# KiCad board W1-AT PCB.kicad_pcb (continued)
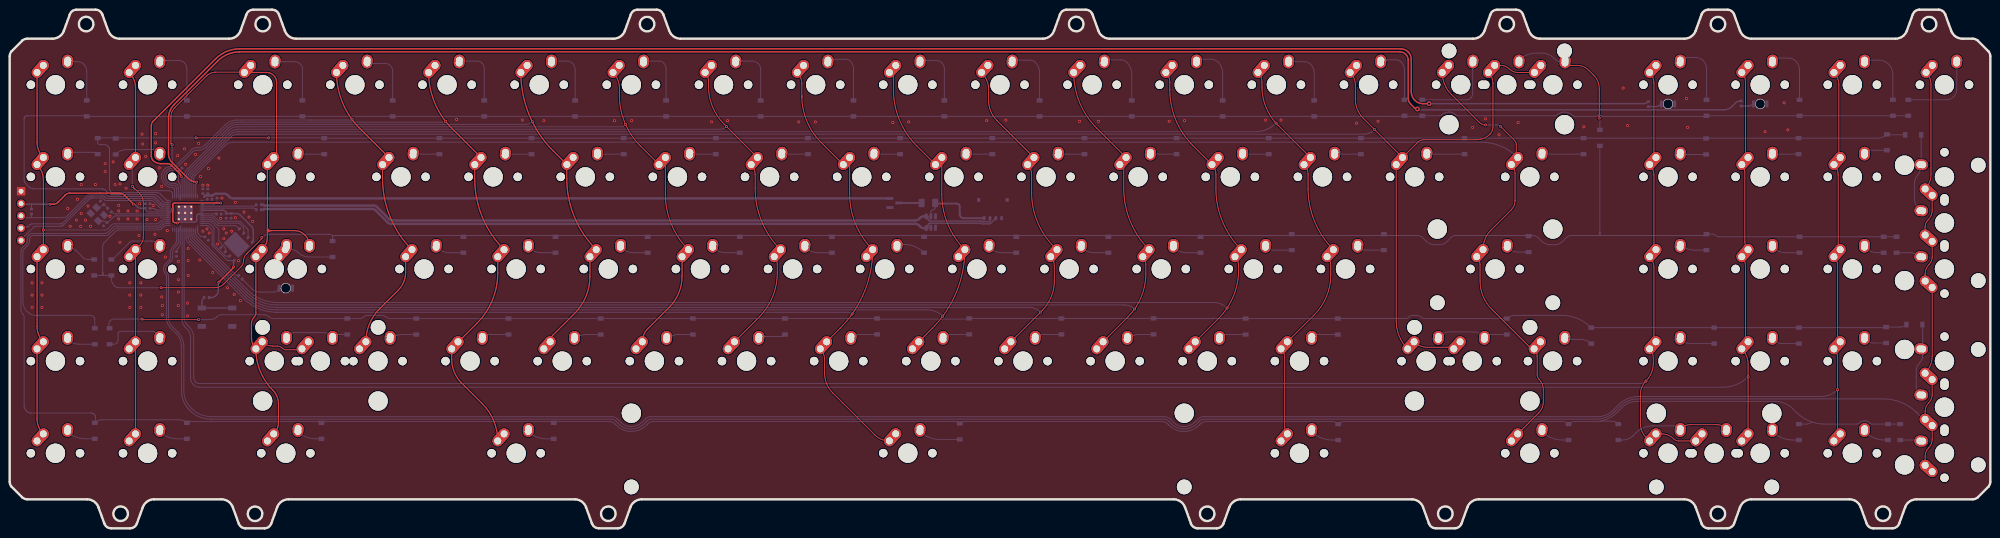
[diagram p0: board, top side]
## Routing (per net, layer and track width the routed paths; a pad name or vN(x,y) marks a point on that pad's centre or on a via; arc(x,y) is an arc through that point) (continued)
ROW0: length 435.6
  Bottom w0.2: 19.24,70.2 19.14,70.2 4.91,70.2 4.81,70.2 4.61,70.23 4.42,70.3 4.25,70.39 4.09,70.5 4.01,70.57 3.32,71.26 3.24,71.34 3.12,71.53 3.03,71.74 2.99,71.96 2.99,72.07 2.99,84.75 2.99,84.81 3.02,84.92 3.07,85.02 3.11,85.06 3.19,85.13 3.25,85.19 3.39,85.27 3.54,85.31 3.62,85.31 15.81,85.31 D1.1 285.43,85.19 arc(285.43,85.19) 285.43,85.19 291.73,85.19 arc(291.9,85.22) D68.1 arc(292.04,85.31) 292.04,85.31 295.67,85.31 arc(295.83,85.35) 295.98,85.44 arc(296.68,85.91) 297.51,86.08 297.63,86.08 arc(298.33,85.94) 298.93,85.54 299.02,85.44 arc(299.16,85.35) 299.33,85.31 319.54,85.31 arc(319.71,85.35) 319.85,85.44 319.86,85.45 arc(320.55,85.91) 321.38,86.08 arc(322.31,85.89) 323.11,85.36 323.15,85.31 arc(323.29,85.22) 323.46,85.19 327.93,85.19 arc(328.09,85.22) 328.23,85.31 arc(328.37,85.41) 328.54,85.44 328.69,85.44 arc(328.85,85.41) 329,85.31 329.03,85.28 arc(329.13,85.21) 329.25,85.19 350.47,85.19 arc(350.63,85.22) D67.1 D83.1 ; 19.24,70.2 19.43,70.16 ; 19.24,70.2 arc(19.48,70.15) 19.68,70.02 20.26,69.44 arc(20.72,69.13) 21.27,69.02 21.62,69.02 21.62,69.02 29.85,69.02 arc(30.23,68.94) 30.55,68.73 31.65,67.63 arc(31.89,67.47) 32.16,67.42 U4.27
ROW1: length 399.5
  Top w0.2: v1(38.55,80.74) v1(53.53,80.74)
  Bottom w0.2: 20.32,79.02 20.39,78.95 20.51,78.77 20.6,78.57 20.64,78.36 20.64,78.25 20.64,70.18 arc(20.71,69.85) 20.89,69.57 arc(21.06,69.46) 21.25,69.42 30.44,69.42 arc(30.82,69.34) 31.14,69.13 31.31,68.96 31.38,68.89 32.31,67.96 arc(32.47,67.85) 32.66,67.82 U4.28 ; v1(53.53,80.74) 64.87,80.74 arc(64.95,80.73) D12.1 D69.1 D74.1 ; D84.1 388.18,81.38 D79.1 arc(387.2,80.88) 386.17,80.68 D74.1 ; 37.18,80.74 18.26,80.74 D2.1 18.19,79.86 arc(18.24,79.65) 18.35,79.47 arc(18.49,79.38) 18.66,79.34 19.65,79.34 arc(19.98,79.28) 20.26,79.09 ; D74.1 arc(369.76,80.63) 369.68,80.61 ; 37.24,80.74 38.54,80.74 arc(38.54,80.74) v1(38.55,80.74)
ROW2: length 426.4
  Top w0.2: v1(31.31,49.75) 42.42,49.75 arc(43.42,49.95) 44.26,50.52 47.88,54.13 arc(48.21,54.63) 48.33,55.21 arc(48.49,56.04) 48.95,56.73 51.96,59.73 arc(52.09,59.93) v1(52.14,60.17)
  Bottom w0.2: 328.74,61.18 D65.1 ; 328.74,61.18 328.74,60.55 ; 328.74,61.18 328.74,61.16 ; 19.24,52.29 19.5,52.29 ; 19.24,52.29 19.24,52.93 ; 19.24,52.29 18.99,52.29 ; 19.5,52.29 21.02,52.29 arc(21.02,52.29) D8.1 21.02,51.67 arc(21.19,50.84) 21.66,50.13 arc(22.08,49.85) 22.58,49.75 v1(31.31,49.75) ; 19.5,52.29 arc(19.31,52.58) 19.24,52.91 ; 19.24,52.93 19.24,58.39 arc(19.31,58.74) 19.51,59.04 21.89,61.42 arc(22.19,61.62) 22.54,61.69 30.77,61.69 arc(31.15,61.77) 31.47,61.98 31.81,62.32 arc(32.14,62.54) 32.52,62.62 U4.15 ; 19.24,52.93 19.24,52.91 ; 18.99,52.29 17.47,52.29 arc(17.47,52.29) D3.1 ; 18.99,52.29 arc(19.18,52.58) 19.24,52.91 ; 329,60.55 350.09,60.55 arc(350.46,60.62) D89.1 352.11,60.83 arc(352.32,60.79) 352.49,60.68 arc(352.91,60.39) 353.41,60.29 D85.1 ; 329,60.55 328.74,60.55 ; 329,60.55 arc(328.81,60.83) 328.74,61.16 ; 328.74,60.55 328.49,60.55 ; D13.1 66.74,60.12 arc(66.77,60.28) 66.87,60.42 ; 328.49,60.55 322.8,60.55 arc(322.31,60.45) 321.88,60.17 320.99,59.27 arc(320.29,58.81) 319.47,58.64 318.52,58.64 arc(317.52,58.84) 316.68,59.41 315.98,60.1 arc(315.49,60.43) 314.9,60.55 298.93,60.55 arc(298.43,60.45) 298.01,60.17 297.11,59.27 arc(296.42,58.81) 295.59,58.64 294.64,58.64 arc(293.64,58.84) 292.8,59.41 292.11,60.1 arc(291.61,60.43) 291.02,60.55 67.17,60.55 arc(67.01,60.52) 66.87,60.42 ; 328.49,60.55 arc(328.68,60.83) 328.74,61.16 ; 66.87,60.42 arc(66.45,60.7) 65.95,60.8 53.67,60.8 arc(52.84,60.64) v1(52.14,60.17)
ROW3: length 456.9
  Top w0.2: v1(39.05,43.15) 27.68,43.15 arc(27.51,43.18) v1(27.37,43.28)
  Bottom w0.2: 160.31,43.4 D36.1 ; D36.1 D32.1 D19.1 78.61,43.37 arc(78.23,43.45) 77.92,43.66 arc(77.49,43.94) 77,44.04 74.01,44.04 arc(73.51,43.94) 73.09,43.66 arc(72.77,43.45) 72.4,43.37 D14.1 54.53,43.37 arc(53.99,43.48) 53.53,43.78 arc(53.11,44.07) 52.61,44.17 43.78,44.17 arc(43.29,44.07) 42.86,43.78 42.77,43.69 arc(42.17,43.29) 41.47,43.15 v1(39.05,43.15) ; D36.1 arc(160.31,43.39) 160.35,43.4 D41.1 179.46,43.27 198.05,43.27 arc(198.23,43.3) D45.1 255.45,43.4 arc(255.49,43.39) D57.1 ; D4.1 17.59,43.28 arc(17.54,43.51) 17.41,43.71 17.34,43.78 arc(17.06,43.97) 16.72,44.04 5.46,44.04 arc(4.47,44.24) 3.62,44.8 arc(2.96,45.79) 2.73,46.95 2.73,57.12 arc(2.8,57.47) 3,57.77 3.66,58.43 arc(4.01,58.95) 4.13,59.56 4.13,59.92 arc(4.18,60.15) 4.31,60.35 arc(4.53,60.5) 4.8,60.55 19.9,60.55 arc(20.23,60.62) 20.51,60.8 21.46,61.75 arc(21.84,62) 22.29,62.09 26.35,62.09 26.35,62.09 30.6,62.09 arc(30.98,62.17) 31.31,62.38 31.65,62.72 arc(31.97,62.94) 32.35,63.02 U4.16 ; v1(27.37,43.28) 21.51,43.28 arc(21.17,43.21) 20.89,43.02 20.78,42.91 arc(20.58,42.61) 20.51,42.26 20.51,41.55 arc(20.55,41.38) 20.64,41.24 ; D57.1 236.48,43.37 ; D57.1 D61.1 arc(274.61,43.4) 274.66,43.4 288.63,43.4 arc(288.96,43.47) 289.24,43.66 arc(289.67,43.94) 290.16,44.04 290.86,44.04 arc(291.36,43.94) 291.78,43.66 arc(292.1,43.45) 292.48,43.37 D66.1 arc(310.24,43.87) 311.11,44.04 320.83,44.04 arc(324.15,43.38) D71.1 387.62,41.5 arc(387.78,41.53) D81.1 390.89,41.62 arc(391.55,41.76) D86.1
ROW4: length 469.8
  Bottom w0.2: 20.45,61.37 21.3,62.22 arc(21.6,62.42) 21.95,62.49 30.44,62.49 arc(30.82,62.57) 31.14,62.79 31.48,63.12 arc(31.8,63.34) 32.19,63.42 U4.17 ; 20.45,61.37 20.39,61.31 ; 20.45,61.37 arc(19.98,61.06) 19.42,60.95 4.65,60.95 arc(4.3,60.88) 4.01,60.68 3.98,60.65 arc(3.72,60.27) 3.63,59.82 3.63,59.23 3.55,59.02 3.46,58.86 2.65,58.05 arc(2.41,57.7) 2.33,57.29 2.33,45.18 arc(2.42,44.73) 2.68,44.35 2.73,44.29 arc(2.92,44.01) 2.99,43.68 2.99,25.45 2.99,25.32 3.03,25.05 3.12,24.79 3.24,24.55 3.4,24.33 3.49,24.23 3.57,24.16 3.73,24.04 3.92,23.94 4.11,23.88 4.31,23.85 4.41,23.85 16.85,23.85 16.94,23.84 17.1,23.81 17.26,23.75 17.4,23.65 17.46,23.59 17.52,23.53 17.62,23.39 17.68,23.23 17.72,23.06 17.72,22.98 17.72,22.32 ; D15.1 64.36,21.91 ; D15.1 64.71,22.07 123.99,22.07 arc(124.6,21.95) 125.12,21.6 125.43,21.29 arc(126.82,20.36) 128.46,20.04 arc(130.22,20.39) 131.71,21.38 132.02,21.69 arc(132.44,21.97) 132.94,22.07 195.49,22.07 arc(195.98,21.97) D37.1 arc(196.83,21.97) 197.33,22.07 238.26,22.07 arc(238.87,21.95) 239.39,21.6 239.7,21.29 arc(241.09,20.36) 242.73,20.04 arc(244.49,20.39) 245.98,21.38 246.29,21.69 arc(246.71,21.97) 247.21,22.07 273.41,22.07 arc(274.08,21.94) 274.64,21.56 arc(275.2,21.94) 275.87,22.07 316.31,22.07 316.31,22.07 321.03,22.07 arc(321.7,21.94) 322.26,21.56 arc(322.83,21.94) 323.49,22.07 327.7,22.07 arc(330.19,22.56) 332.3,23.97 333.33,25 arc(334.72,25.93) 336.36,26.26 364.94,26.26 arc(366.93,25.86) 368.62,24.73 369.38,23.97 arc(372.05,22.19) 375.21,21.56 381.83,21.56 arc(382.16,21.63) 382.44,21.81 ; D15.1 arc(64.17,22) 63.84,22.07 36.89,22.07 36.79,22.18 ; 390.84,21.56 388.3,21.56 arc(388.3,21.56) 388.3,21.56 385.1,21.56 arc(384.77,21.63) 384.49,21.81 ; 333.1,21.56 332.55,21.56 arc(331.89,22) 331.12,22.15 328.74,22.15 ; 369.89,21.56 371.5,21.56 arc(372.07,21.67) 372.56,22 ; D5.1 arc(18.3,22.28) 19.13,22.45 35.11,22.45 arc(35.94,22.28) D10.1 ; 384.49,21.81 arc(384.06,22.09) 383.55,22.19 383.33,22.19 arc(382.86,22.1) 382.46,21.84
SWCLK: length 34.8
  Bottom w0.2: J2.5 2.35,59.57 2.37,59.65 2.41,59.72 2.44,59.75 4.92,62.23 4.97,62.28 5.1,62.36 5.24,62.42 5.39,62.45 5.47,62.45 10.45,62.45 10.54,62.46 10.74,62.49 10.92,62.57 11.08,62.68 11.15,62.75 16.43,68.03 16.5,68.1 16.67,68.2 16.85,68.28 17.04,68.32 17.14,68.32 18.86,68.32 arc(19.19,68.25) 19.47,68.07 19.62,67.91 arc(19.76,67.82) 19.93,67.79 29.28,67.79 arc(29.5,67.74) 29.69,67.61 30.86,66.45 arc(31.12,66.28) 31.42,66.22 U4.24
SWD: length 33.9
  Bottom w0.2: 2.35,62.07 2.41,62.13 2.55,62.23 2.71,62.29 2.88,62.33 2.96,62.33 3.62,62.33 3.66,62.33 3.74,62.35 3.81,62.39 3.84,62.42 4.13,62.71 4.19,62.77 4.33,62.86 4.49,62.93 4.66,62.96 4.74,62.96 10.61,62.96 10.67,62.96 10.79,63 10.9,63.06 10.94,63.1 16.27,68.43 16.34,68.5 16.5,68.6 16.68,68.68 16.88,68.72 16.98,68.72 19.1,68.72 19.2,68.72 19.39,68.68 19.57,68.6 19.73,68.5 19.84,68.39 arc(20,68.28) 20.18,68.22 20.63,68.22 ; U4.25 31.75,66.62 31.65,66.62 31.46,66.66 31.28,66.73 31.11,66.84 31.04,66.91 31.04,66.91 29.95,67.99 arc(29.71,68.16) 29.42,68.22 29.32,68.22 21.87,68.22 21.87,68.22 20.65,68.22 ; 2.86,62.45 2.77,62.37
XIN: length 15.1
  Bottom w0.2: Y1.3 19.23,63.57 arc(19.69,63.48) C1.2 arc(20.25,63.25) 20.38,63.34 21.4,64.36 arc(21.69,64.55) 22.02,64.62 U4.20
XOUT: length 11.9
  Bottom w0.2: U4.21 22.02,65.02 arc(21.47,65.13) R1.2
Net-(D1-A): length 11.2
  Bottom w0.2: D1.2 15.94,94.45 arc(15.78,95.28) 15.31,95.98 arc(14.74,96.36) 14.08,96.49 12.6,96.49 arc(12.25,96.42) SW2.2
Net-(D2-A): length 6.3
  Bottom w0.2: SW3.2 17.28,77.76 arc(17.77,77.66) D2.2
Net-(D3-A): length 6.4
  Bottom w0.2: 17.46,55.6 16.1,55.6 arc(15.6,55.7) 15.18,55.98 13.78,57.37 arc(12.95,57.93) SW4.2
Net-(D4-A): length 5.9
  Bottom w0.2: D4.2 14.39,38.07 arc(13.08,38.33) SW5.2
Net-(D5-A): length 6
  Bottom w0.2: 17.59,18.51 15.62,18.51 arc(13.64,18.91) SW6.2
Net-(D6-A): length 13.3
  Bottom w0.2: D6.2 36.64,95.01 arc(36.51,95.67) 36.13,96.24 arc(35.57,96.61) 34.91,96.74 32.26,96.74 arc(31.59,96.61) SW7.2
Net-(D7-A): length 9.6
  Bottom w0.2: D7.2 22.02,77.43 arc(23.02,78.1) 24.2,78.33 29.67,78.33 arc(30.42,78.18) SW8.2
Net-(D8-A): length 12.1
  Bottom w0.2: 21.43,55.6 21.02,55.6 arc(21.26,55.64) 21.46,55.78 24.83,59.15 arc(25.11,59.34) 25.44,59.41 29.37,59.41 arc(30.28,59.22) SW9.2
Net-(D9-A): length 12.9
  Bottom w0.2: SW10.2 30.38,40.33 arc(29.93,40.63) 29.4,40.74 22.85,40.74 arc(22.69,40.7) 22.54,40.61 arc(22.45,40.47) 22.42,40.3 22.42,38.94 arc(22.35,38.61) 22.16,38.32 arc(21.88,38.14) 21.55,38.07 D9.2
Net-(D10-A): length 6
  Bottom w0.2: 36.64,18.51 34.67,18.51 arc(32.69,18.91) SW11.2
Net-(D11-A): length 13.1
  Bottom w0.2: D11.2 60.52,95.06 arc(60.42,95.56) 60.14,95.98 arc(59.57,96.36) 58.91,96.49 55.46,96.49 arc(55.12,96.42) SW12.2
Net-(D12-A): length 5.6
  Bottom w0.2: D12.2 60.01,77.38 SW13.2
Net-(D13-A): length 10.2
  Bottom w0.2: SW14.1 58.28,57.63 arc(58.94,57.5) 59.5,57.12 arc(60.63,56.37) 61.95,56.1 D13.2
Net-(D14-A): length 13.1
  Bottom w0.2: SW90.2 57.51,39.92 arc(58.13,40.34) 58.87,40.48 64.78,40.48 arc(65.86,40.27) SW15.2 arc(67.23,39.96) 67.77,40.07 D14.2
Net-(D15-A): length 5.3
  Bottom w0.2: 64.45,18.51 63.24,18.51 arc(61.27,18.91) SW16.2
Net-(D16-A): length 12.3
  Bottom w0.2: D16.2 79.19,94.5 arc(79.05,95.17) 78.68,95.73 arc(78.26,96.01) 77.76,96.11 74.16,96.11 arc(74.01,96.14) SW17.2
Net-(D17-A): length 5.5
  Bottom w0.2: SW18.2 83.6,77.38 D17.2
Net-(D18-A): length 5.9
  Bottom w0.2: D18.2 90.9,56.99 arc(89.42,57.29) SW19.2
Net-(D19-A): length 5.7
  Bottom w0.2: D19.2 81.04,40.07 arc(79.74,39.81) SW20.2
Net-(D20-A): length 5.7
  Bottom w0.2: 112.46,18.51 110.87,18.51 arc(108.89,18.91) SW21.2
Net-(D21-A): length 12.8
  Bottom w0.2: D21.2 98.11,95.01 arc(97.98,95.67) 97.6,96.24 arc(97.18,96.52) 96.68,96.62 93.87,96.62 arc(93.36,96.52) SW22.2
Net-(D22-A): length 5.5
  Bottom w0.2: D22.2 102.65,77.38 SW23.2
Net-(D23-A): length 5.9
  Bottom w0.2: D23.2 109.95,56.99 arc(108.47,57.29) SW24.2
Net-(D24-A): length 5.5
  Bottom w0.2: D24.2 98.73,40.07 arc(98.19,39.96) SW25.2
Net-(D25-A): length 12.4
  Bottom w0.2: D25.2 116.91,94.88 arc(116.77,95.55) 116.4,96.11 arc(115.83,96.48) 115.17,96.62 112.92,96.62 arc(112.41,96.52) SW26.2
Net-(D26-A): length 5.5
  Bottom w0.2: D26.2 121.7,77.38 SW27.2
Net-(D27-A): length 5.9
  Bottom w0.2: D27.2 129,56.99 arc(127.52,57.29) SW28.2
Net-(D28-A): length 5.7
  Bottom w0.2: D28.2 119.14,40.07 arc(117.84,39.81) SW29.2
Net-(D29-A): length 12.2
  Bottom w0.2: D29.2 135.7,95.01 arc(135.57,95.67) 135.19,96.24 arc(134.77,96.52) 134.27,96.62 131.53,96.62 arc(131.28,96.67) SW30.2
Net-(D30-A): length 5.5
  Bottom w0.2: SW31.2 140.75,77.38 D30.2
Net-(D31-A): length 5.9
  Bottom w0.2: D31.2 148.05,56.99 arc(146.57,57.29) SW32.2
Net-(D32-A): length 5.7
  Bottom w0.2: D32.2 138.19,40.07 arc(136.89,39.81) SW33.2
Net-(D33-A): length 12.7
  Bottom w0.2: D33.2 155.26,94.88 arc(155.13,95.55) 154.75,96.11 arc(154.19,96.48) 153.53,96.62 151.02,96.62 arc(150.51,96.52) SW34.2
Net-(D34-A): length 5.5
  Bottom w0.2: SW35.2 159.8,77.38 D34.2
Net-(D35-A): length 5.9
  Bottom w0.2: D35.2 167.1,56.99 arc(165.62,57.29) SW36.2
Net-(D36-A): length 5.5
  Bottom w0.2: SW37.2 159.28,39.66 arc(159.82,39.77) D36.2
Net-(D37-A): length 8.7
  Bottom w0.2: D37.2 192.18,18.39 arc(190.01,18.82) SW38.2
Net-(D38-A): length 13.1
  Bottom w0.2: D38.2 174.44,95.08 arc(174.27,95.91) 173.8,96.62 arc(173.38,96.9) 172.88,97 169.63,97 arc(169.38,96.95) SW39.2
Net-(D39-A): length 5.5
  Bottom w0.2: SW40.2 178.85,77.38 D39.2
Net-(D40-A): length 6
  Bottom w0.2: 183.45,58.71 184.9,58.71 arc(187.14,58.26) D40.2
Net-(D41-A): length 5.5
  Bottom w0.2: 179.33,40.07 174.93,40.07 arc(174.39,39.96) SW42.2
Net-(D42-A): length 12.5
  Bottom w0.2: D42.2 193.23,95.01 arc(193.1,95.67) 192.72,96.24 arc(192.16,96.61) 191.5,96.74 188.37,96.74 arc(188.29,96.76) SW43.2
Net-(D43-A): length 5.5
  Bottom w0.2: D43.2 197.9,77.38 SW44.2
Net-(D44-A): length 5.9
  Bottom w0.2: D44.2 205.2,56.99 arc(203.72,57.29) SW45.2
Net-(D45-A): length 5.5
  Bottom w0.2: 198.38,40.07 193.98,40.07 arc(193.44,39.96) SW46.2
Net-(D46-A): length 13
  Bottom w0.2: D46.2 212.92,94.22 arc(212.69,95.38) 212.03,96.36 arc(211.54,96.69) 210.96,96.81 SW47.2
Net-(D47-A): length 5.5
  Bottom w0.2: SW48.2 216.95,77.38 D47.2
Net-(D48-A): length 5.9
  Bottom w0.2: D48.2 224.25,56.99 arc(222.77,57.29) SW49.2
Net-(D49-A): length 5.5
  Bottom w0.2: 217.43,40.07 213.03,40.07 arc(212.49,39.96) SW50.2
Net-(D50-A): length 12.9
  Bottom w0.2: D50.2 231.97,93.91 arc(231.7,95.24) 230.95,96.36 arc(230.39,96.74) 229.73,96.87 226.47,96.87 arc(226.39,96.85) SW51.2
Net-(D51-A): length 5.5
  Bottom w0.2: D51.2 236,77.38 SW52.2
Net-(D52-A): length 5.9
  Bottom w0.2: D52.2 243.3,56.99 arc(241.82,57.29) SW53.2
Net-(D53-A): length 5.7
  Bottom w0.2: 236.48,40.07 233.44,40.07 arc(232.14,39.81) SW54.2
Net-(D54-A): length 12.8
  Bottom w0.2: D54.2 250.76,94.22 arc(250.53,95.38) 249.87,96.36 arc(249.17,96.83) 248.34,97 245.83,97 arc(245.58,96.95) SW55.2
Net-(D55-A): length 5.5
  Bottom w0.2: SW56.2 255.05,77.38 D55.2
Net-(D56-A): length 5.6
  Bottom w0.2: D56.2 261.05,57.53 arc(260.27,57.69) SW57.2
Net-(D57-A): length 5.5
  Bottom w0.2: D57.2 251.13,40.07 arc(250.59,39.96) SW58.2
Net-(D58-A): length 12.5
  Bottom w0.2: D58.2 269.69,94.14 arc(269.49,95.14) 268.92,95.98 arc(268.36,96.36) 267.7,96.49 265.01,96.49 arc(264.67,96.42) SW59.2
Net-(D59-A): length 5.5
  Bottom w0.2: D59.2 274.1,77.38 SW60.2
Net-(D60-A): length 5.6
  Bottom w0.2: D60.2 280.1,57.53 arc(279.32,57.69) SW61.2
Net-(D61-A): length 5.5
  Bottom w0.2: D61.2 270.18,40.07 arc(269.64,39.96) SW62.2
Net-(D62-A): length 6
  Bottom w0.2: D62.2 273.41,18.26 arc(271.1,18.72) SW63.2
Net-(D63-A): length 12.3
  Bottom w0.2: D63.2 288.36,94.65 arc(288.16,95.65) 287.59,96.49 arc(287.17,96.77) 286.67,96.87 283.62,96.87 arc(283.54,96.85) SW64.2
Net-(D64-A): length 7.9
  Bottom w0.2: SW65.2 293.15,77.38 D64.2
Net-(D65-A): length 28.9
  Top w0.2: v1(328.61,84.84) 328.61,90.94 arc(328.32,92.43) 327.47,93.7 326.43,94.74 arc(325.33,95.47) 324.04,95.73 322.73,95.73 arc(322.08,95.86) SW99.2
  Bottom w0.2: D65.2 328.74,84.71 v1(328.61,84.84) ; SW66.2 arc(313.66,97.89) 315.57,98.27 316.76,98.27 arc(318.09,98) 319.22,97.25 319.33,97.14 arc(320.34,96.46) SW99.2
Net-(D66-A): length 14.7
  Bottom w0.2: D66.2 305.9,40.07 arc(305.36,39.96) SW68.2 arc(303.84,40.36) 302.6,40.61 297.67,40.61 arc(296.43,40.36) SW92.2
Net-(D67-A): length 13.3
  Bottom w0.2: D67.2 350.78,95.06 arc(350.59,95.97) 350.08,96.74 arc(349.37,97.21) 348.54,97.38 346.76,97.38 arc(346.01,97.23) SW67.2
Net-(D68-A): length 17.5
  Bottom w0.2: D68.2 301.15,88.61 arc(301.65,88.71) 302.07,89 arc(302.35,89.42) 302.45,89.92 302.45,96.17 arc(302.46,96.2) SW69.2
Net-(D69-A): length 8.7
  Bottom w0.2: D69.2 316.96,77.38 SW70.2
Net-(D70-A): length 4.7
  Bottom w0.2: 314.01,57.12 312.02,57.12 arc(310.7,57.38) SW71.2
Net-(D71-A): length 5.7
  Bottom w0.2: SW72.2 324.84,39.08 arc(325.99,38.85) D71.2
Net-(D72-A): length 6
  Bottom w0.2: D72.2 321.03,18.26 arc(318.72,18.72) SW73.2
Net-(D73-A): length 13.3
  Bottom w0.2: D73.2 370.02,94.78 arc(369.82,95.77) 369.25,96.62 arc(368.55,97.09) 367.72,97.25 365.5,97.25 arc(364.92,97.14) SW74.2
Net-(D74-A): length 5.5
  Bottom w0.2: SW75.2 364.59,77.38 D74.2
Net-(D75-A): length 5.9
  Bottom w0.2: D75.2 367.12,56.99 arc(365.64,57.29) SW76.2
Net-(D76-A): length 5.7
  Bottom w0.2: D76.2 366.51,38.2 arc(365.36,38.43) SW77.2
Net-(D77-A): length 6
  Bottom w0.2: D77.2 368.66,18.26 arc(366.35,18.72) SW83.2
Net-(D78-A): length 12.8
  Bottom w0.2: SW79.2 386.44,96.81 arc(387.52,96.59) 388.43,95.98 arc(389.09,95) 389.32,93.84 D78.2
Net-(D79-A): length 5.1
  Bottom w0.2: SW80.2 384.43,78.17 D79.2
Net-(D80-A): length 4.3
  Bottom w0.2: D80.2 386.17,56.99 arc(384.69,57.29) SW81.2
Net-(D81-A): length 4.7
  Bottom w0.2: D81.2 385.26,38.32 arc(384.27,38.52) SW82.2
Net-(D82-A): length 5.3
  Bottom w0.2: D82.2 387.71,18.26 arc(385.4,18.72) SW88.2
Net-(D83-A): length 16.7
  Bottom w0.2: D83.2 400.36,88.61 arc(401.19,88.78) 401.89,89.25 arc(402.36,89.95) 402.53,90.78 402.53,96.13 arc(402.52,96.18) SW84.2
Net-(D84-A): length 16.5
  Bottom w0.2: D84.2 395.16,75.5 SW94.2 ; SW94.2 394.91,74.04 arc(394.81,73.54) 394.53,73.12 arc(393.96,72.28) 393.77,71.28 393.77,68.45 arc(394.06,66.96) SW85.2
Net-(D85-A): length 5
  Bottom w0.2: D85.2 392.91,56.99 arc(393.99,56.78) SW86.2
Net-(D86-A): length 15.1
  Bottom w0.2: SW87.2 arc(394.34,28.44) 394.15,29.43 394.15,32.6 arc(394.31,33.43) 394.78,34.13 arc(395.3,34.92) 395.49,35.84 SW95.2 395.49,41.96 arc(395.47,42.05) 395.42,42.13
Net-(D87-A): length 4.7
  Bottom w0.2: D87.2 394.93,18.26 arc(395.23,18.2) SW78.2
Net-(D88-A): length 5.4
  Bottom w0.2: D88.2 345.47,77.31 SW91.2
Net-(D89-A): length 5.7
  Bottom w0.2: D89.2 348.21,57.53 arc(346.68,57.84) SW93.2
Net-(D90-A): length 7.3
  Bottom w0.2: D90.2 347.46,38.2 arc(346.31,38.43) SW96.2
Net-(D91-A): length 23.8
  Top w0.2: SW98.2 arc(346.29,21.22) 347.37,21.43 352.91,21.43 arc(353.99,21.22) SW97.2
  Bottom w0.2: D91.2 333.46,18.26 arc(334.62,18.49) 335.6,19.15 336.19,19.74 arc(337.79,20.81) 339.66,21.18 344,21.18 arc(344.75,21.03) SW98.2
Net-(D92-A): length 8.9
  Bottom w0.2: 55.69,49.5 55.33,49.15 arc(55.02,48.94) 54.66,48.86 51.66,48.86 arc(50.81,49.03) 50.09,49.52 R2.1
Net-(D93-A): length 2.8
  Bottom w0.3: 338.77,87.22 340.14,87.22 arc(340.84,87.36) D93.1
Net-(D94-A): length 2.6
  Bottom w0.3: R8.1 359.49,87.35 arc(360.03,87.45) D94.1
Net-(R7-Pad2): length 8.6
  Bottom w0.3: SW1.2 SW1.2 39.71,46.56 arc(39.84,47.19) R7.2

## Copper pours and planes (outline as drawn; the poured copper is in the pictures)
+3.3V on Bottom: 38.8,67.28 38.8,69.69 41.21,69.69 41.21,67.28
+3.3V on Bottom: 33.47,62.45 33.47,68.04 39.05,68.04 39.05,66.01 40.45,66.01 40.45,65.25 39.05,65.25 39.05,62.45
GND on Top, Bottom: 415.23,110.46 415.23,-7.65 -2.6,-7.65 -2.6,110.46
